# Altium PCB ZZW-FM17550-CB-001-V0.4.PcbDoc (part 3 of 3)
Units mil, origin at the board's own origin, x right, y up, seen from the top; angles counter-clockwise.
Board outline 1510 x 3524 mil, 2 copper layers (Top Layer, Bottom Layer); 440 components, 36 nets, 1370 pads, 672 vias.
Unrouted connection lines stored in the file: 245.
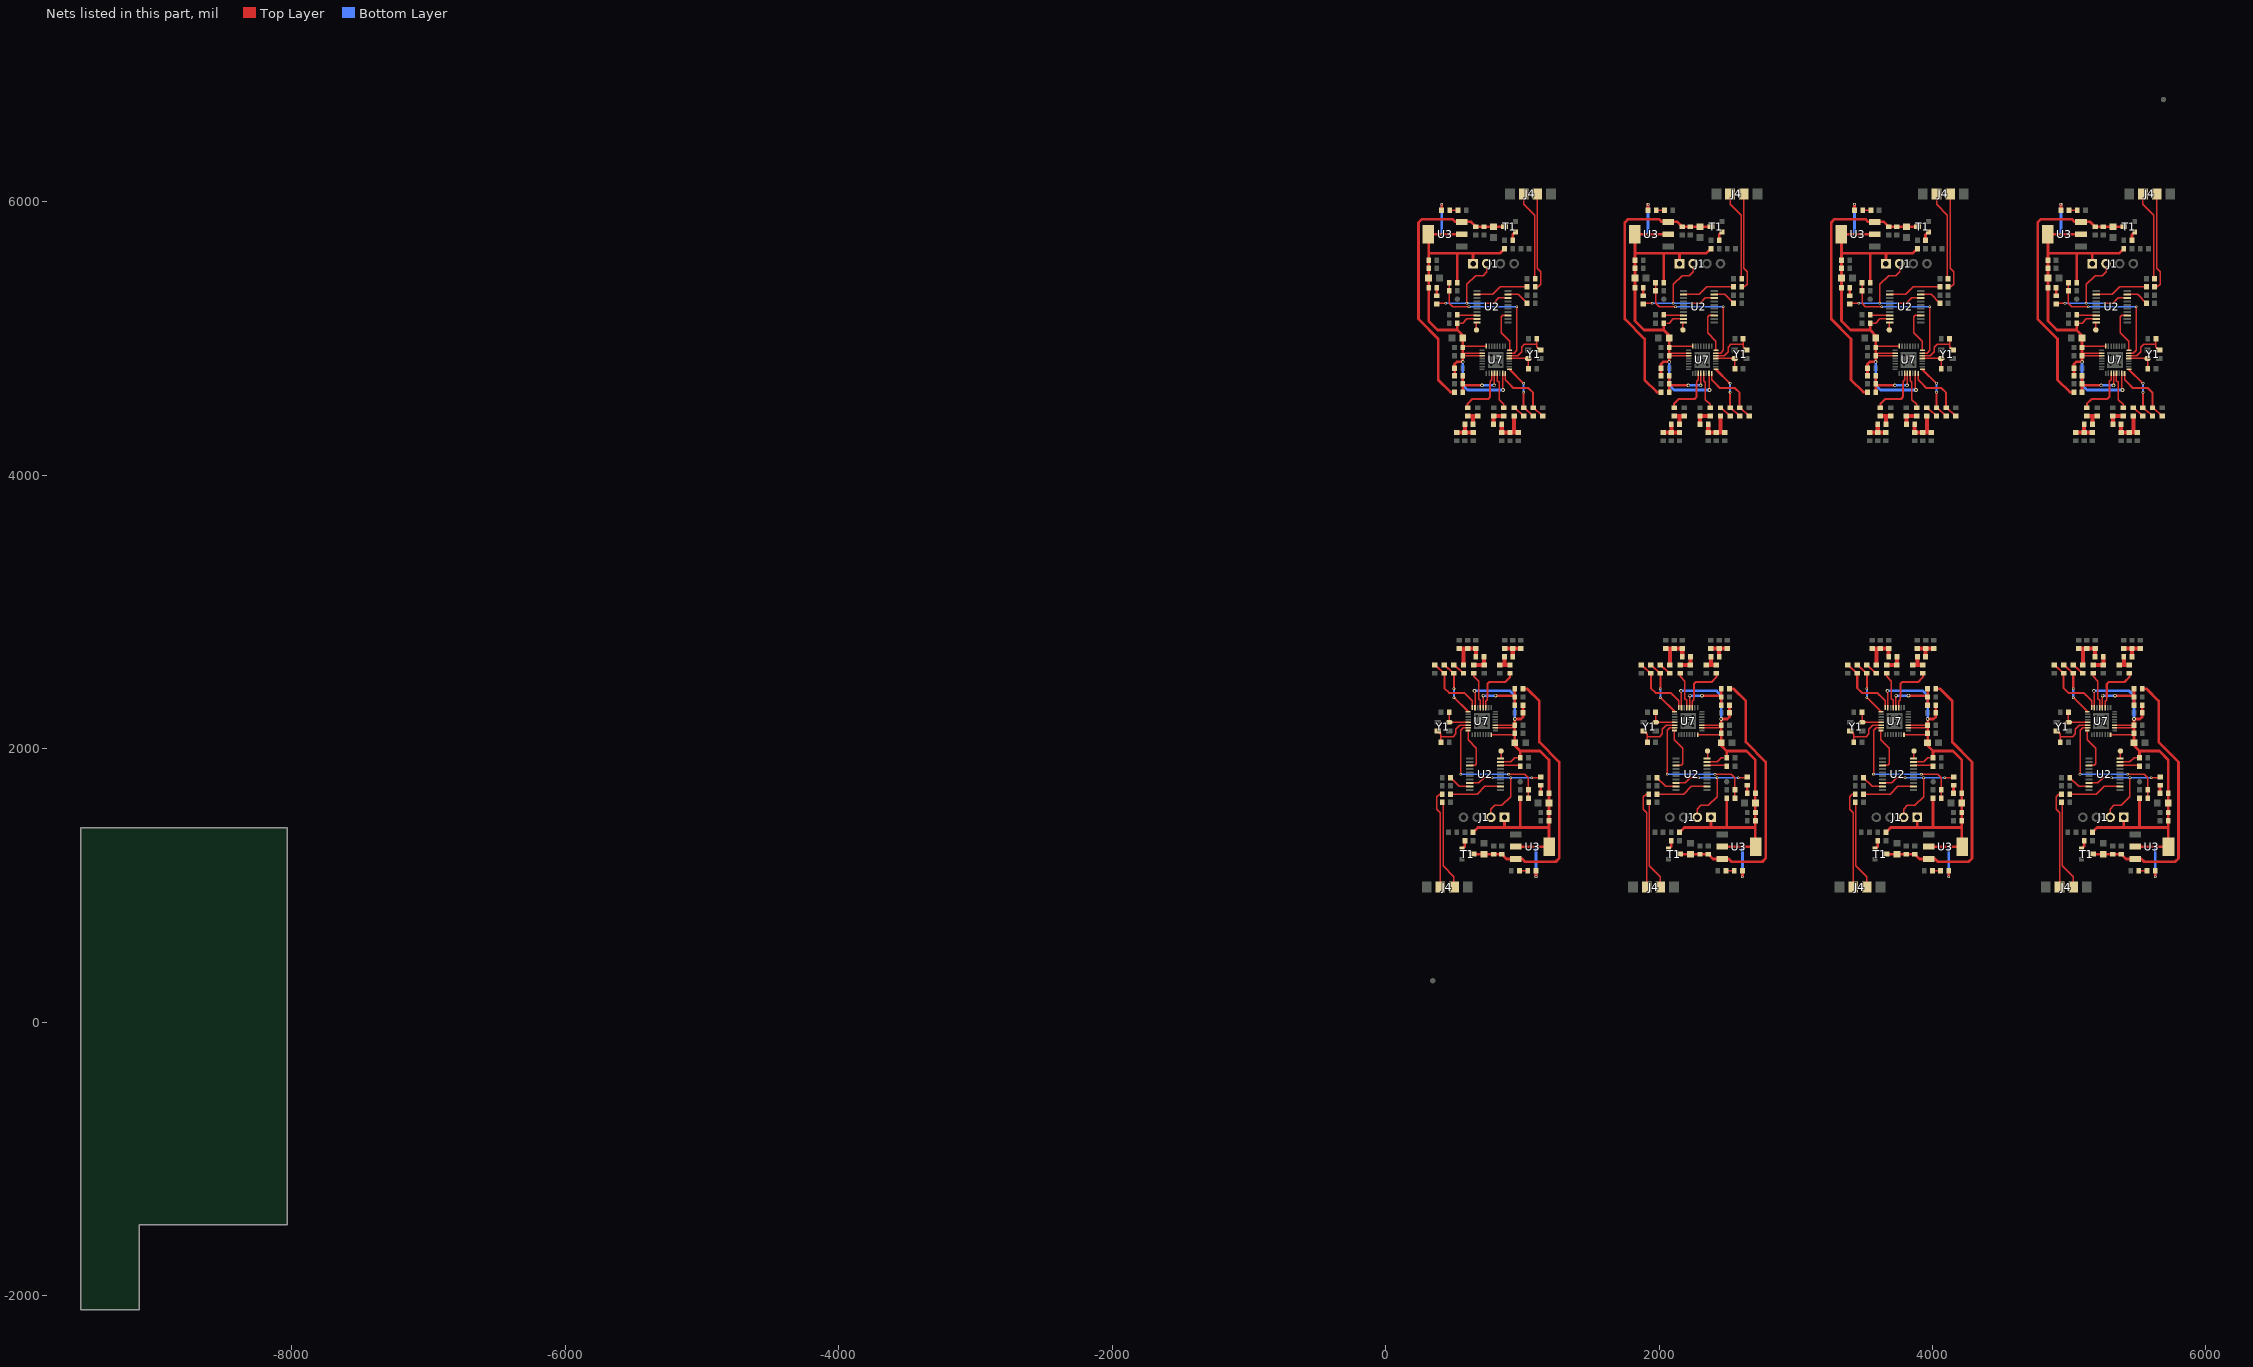
[diagram p3: the nets of this part, all layers, seen from the top]

## Via types
v1: diameter 20, hole 12, Top Layer to Bottom Layer, tented both sides, 432 vias
v2: diameter 19.68, hole 11.81, Top Layer to Bottom Layer, tented both sides, 120 vias
v3: diameter 27, hole 15, Top Layer to Bottom Layer, tented both sides, 104 vias
v4: diameter 27, hole 12, Top Layer to Bottom Layer, tented both sides, 16 vias

## Nets (pads, with @x,y where several pads share a name; then routed paths per layer and width w, separated by ;. In a path a pad name is that pad's centre, name@x,y a point inside that pad or via, vN(x,y) a via of type N, cw(c..) or ccw(c..) an arc to the next point about the centre after c; other vN are vias at no path point) (continued)
MCU_SDA: U2.13 U7.24 | length 2600.4
  Top Layer w10: U7.24@603.08,2133.9 603.08,2065.92 665,2004 665,1889 654.13,1878.13 U2.13@615,1878.13 ; U2.13@895,5169.87 855.87,5169.87 845,5159.01 845,5044.01 906.92,4982.09 U7.24@906.92,4914.11 ; U7.24@2113.08,2133.9 2113.08,2065.92 2175,2004 2175,1889 2164.13,1878.13 U2.13@2125,1878.13 ; U2.13@2405,5169.87 2365.87,5169.87 2355,5159.01 2355,5044.01 2416.92,4982.09 U7.24@2416.92,4914.11 ; U7.24@3623.08,2133.9 3623.08,2065.92 3685,2004 3685,1889 3674.13,1878.13 U2.13@3635,1878.13 ; U2.13@3915,5169.87 3875.87,5169.87 3865,5159.01 3865,5044.01 3926.92,4982.09 U7.24@3926.92,4914.11 ; U7.24@5133.08,2133.9 5133.08,2065.92 5195,2004 5195,1889 5184.13,1878.13 U2.13@5145,1878.13 ; U2.13@5425,5169.87 5385.87,5169.87 5375,5159.01 5375,5044.01 5436.92,4982.09 U7.24@5436.92,4914.11
MCU_SWIM: J1.2 R17.1 U2.18 | length 7354.1
  Top Layer w10: R17.1@375,5254.01 380,5259.01 v2(440,5259.01) ; v1(595,5259.01) 595,5397.01 660,5462.01 713,5462.01 740,5489.01 J1.2@740,5549.01 ; U2.18@615,1750.18 681.18,1750.18 720,1789 v2(780,1789) ; v2(730,5259.01) 790,5259.01 828.82,5297.83 U2.18@895,5297.83 ; J1.2@770,1499 770,1559 797,1586 850,1586 915,1651 v1(915,1789) ; v2(1070,1789) 1130,1789 R17.1@1135,1794 ; R17.1@1885,5254.01 1890,5259.01 v2(1950,5259.01) ; v1(2105,5259.01) 2105,5397.01 2170,5462.01 2223,5462.01 2250,5489.01 J1.2@2250,5549.01 ; U2.18@2125,1750.18 2191.18,1750.18 2230,1789 v2(2290,1789) ; v2(2240,5259.01) 2300,5259.01 2338.82,5297.83 U2.18@2405,5297.83 ; J1.2@2280,1499 2280,1559 2307,1586 2360,1586 2425,1651 v1(2425,1789) ; v2(2580,1789) 2640,1789 R17.1@2645,1794 ; R17.1@3395,5254.01 3400,5259.01 v2(3460,5259.01) ; v1(3615,5259.01) 3615,5397.01 3680,5462.01 3733,5462.01 3760,5489.01 J1.2@3760,5549.01 ; U2.18@3635,1750.18 3701.18,1750.18 3740,1789 v2(3800,1789) ; v2(3750,5259.01) 3810,5259.01 3848.82,5297.83 U2.18@3915,5297.83 ; J1.2@3790,1499 3790,1559 3817,1586 3870,1586 3935,1651 v1(3935,1789) ; v2(4090,1789) 4150,1789 R17.1@4155,1794 ; R17.1@4905,5254.01 4910,5259.01 v2(4970,5259.01) ; v1(5125,5259.01) 5125,5397.01 5190,5462.01 5243,5462.01 5270,5489.01 J1.2@5270,5549.01 ; U2.18@5145,1750.18 5211.18,1750.18 5250,1789 v2(5310,1789) ; v2(5260,5259.01) 5320,5259.01 5358.82,5297.83 U2.18@5425,5297.83 ; J1.2@5300,1499 5300,1559 5327,1586 5380,1586 5445,1651 v1(5445,1789) ; v2(5600,1789) 5660,1789 R17.1@5665,1794
  Bottom Layer w10: v2(440,5259.01) v1(595,5259.01) v2(730,5259.01) ; v2(780,1789) v1(915,1789) v2(1070,1789) ; v2(1950,5259.01) v1(2105,5259.01) v2(2240,5259.01) ; v2(2290,1789) v1(2425,1789) v2(2580,1789) ; v2(3460,5259.01) v1(3615,5259.01) v2(3750,5259.01) ; v2(3800,1789) v1(3935,1789) v2(4090,1789) ; v2(4970,5259.01) v1(5125,5259.01) v2(5260,5259.01) ; v2(5310,1789) v1(5445,1789) v2(5600,1789)
MCU_TX1: R8.2 U2.2 | length 3115.2
  Top Layer w10: R8.2@475,1669 670,1669 725.59,1724.59 U2.2@841.38,1724.59 ; U2.2@668.62,5323.42 784.41,5323.42 840,5379.01 R8.2@1035,5379.01 ; R8.2@1985,1669 2180,1669 2235.59,1724.59 U2.2@2351.38,1724.59 ; U2.2@2178.62,5323.42 2294.41,5323.42 2350,5379.01 R8.2@2545,5379.01 ; R8.2@3495,1669 3690,1669 3745.59,1724.59 U2.2@3861.38,1724.59 ; U2.2@3688.62,5323.42 3804.41,5323.42 3860,5379.01 R8.2@4055,5379.01 ; R8.2@5005,1669 5200,1669 5255.59,1724.59 U2.2@5371.38,1724.59 ; U2.2@5198.62,5323.42 5314.41,5323.42 5370,5379.01 R8.2@5565,5379.01
MCU_WriteOnly: R6.2 U2.19 | length 1333.4
  Top Layer w10: R6.2@475,1789 539.41,1724.59 U2.19@615,1724.59 ; U2.19@895,5323.42 970.59,5323.42 R6.2@1035,5259.01 ; R6.2@1985,1789 2049.41,1724.59 U2.19@2125,1724.59 ; U2.19@2405,5323.42 2480.59,5323.42 R6.2@2545,5259.01 ; R6.2@3495,1789 3559.41,1724.59 U2.19@3635,1724.59 ; U2.19@3915,5323.42 3990.59,5323.42 R6.2@4055,5259.01 ; R6.2@5005,1789 5069.41,1724.59 U2.19@5145,1724.59 ; U2.19@5425,5323.42 5500.59,5323.42 R6.2@5565,5259.01
NetC3_2: C3.2 C7.2 C8.2 R11.1 T1.1 U3.3 | length 16243.8
  Top Layer w20: R11.1@505,4609.01 475,4609.01 385,4699.01 385,4999.01 240,5144.01 240,5849.01 265,5874.01 490.55,5874.01 510,5854.56 U3.3@557.05,5854.56 624.45,5854.56 C7.2@660,5819.01 C8.2@720,5819.01 C3.2@790,5819.01 T1.1@870,5819.01 ; T1.1@640,1229 C3.2@720,1229 C8.2@790,1229 C7.2@850,1229 885.55,1193.45 U3.3@952.95,1193.45 1000,1193.45 1019.45,1174 1245,1174 1270,1199 1270,1904 1125,2049 1125,2349 1035,2439 R11.1@1005,2439 ; R11.1@2015,4609.01 1985,4609.01 1895,4699.01 1895,4999.01 1750,5144.01 1750,5849.01 1775,5874.01 2000.55,5874.01 2020,5854.56 U3.3@2067.05,5854.56 2134.45,5854.56 C7.2@2170,5819.01 C8.2@2230,5819.01 C3.2@2300,5819.01 T1.1@2380,5819.01 ; T1.1@2150,1229 C3.2@2230,1229 C8.2@2300,1229 C7.2@2360,1229 2395.55,1193.45 U3.3@2462.95,1193.45 2510,1193.45 2529.45,1174 2755,1174 2780,1199 2780,1904 2635,2049 2635,2349 2545,2439 R11.1@2515,2439 ; R11.1@3525,4609.01 3495,4609.01 3405,4699.01 3405,4999.01 3260,5144.01 3260,5849.01 3285,5874.01 3510.55,5874.01 3530,5854.56 U3.3@3577.05,5854.56 3644.45,5854.56 C7.2@3680,5819.01 C8.2@3740,5819.01 C3.2@3810,5819.01 T1.1@3890,5819.01 ; T1.1@3660,1229 C3.2@3740,1229 C8.2@3810,1229 C7.2@3870,1229 3905.55,1193.45 U3.3@3972.95,1193.45 4020,1193.45 4039.45,1174 4265,1174 4290,1199 4290,1904 4145,2049 4145,2349 4055,2439 R11.1@4025,2439 ; R11.1@5035,4609.01 5005,4609.01 4915,4699.01 4915,4999.01 4770,5144.01 4770,5849.01 4795,5874.01 5020.55,5874.01 5040,5854.56 U3.3@5087.05,5854.56 5154.45,5854.56 C7.2@5190,5819.01 C8.2@5250,5819.01 C3.2@5320,5819.01 T1.1@5400,5819.01 ; T1.1@5170,1229 C3.2@5250,1229 C8.2@5320,1229 C7.2@5380,1229 5415.55,1193.45 U3.3@5482.95,1193.45 5530,1193.45 5549.45,1174 5775,1174 5800,1199 5800,1904 5655,2049 5655,2349 5565,2439 R11.1@5535,2439
NetC5_2: C5.2 U2.8 | length 1162.7
  Top Layer w10: C5.2@525,5174.01 529.13,5169.87 U2.8@668.62,5169.87 ; U2.8@841.38,1878.13 980.87,1878.13 C5.2@985,1874 ; C5.2@2035,5174.01 2039.13,5169.87 U2.8@2178.62,5169.87 ; U2.8@2351.38,1878.13 2490.87,1878.13 C5.2@2495,1874 ; C5.2@3545,5174.01 3549.13,5169.87 U2.8@3688.62,5169.87 ; U2.8@3861.38,1878.13 4000.87,1878.13 C5.2@4005,1874 ; C5.2@5055,5174.01 5059.13,5169.87 U2.8@5198.62,5169.87 ; U2.8@5371.38,1878.13 5510.87,1878.13 C5.2@5515,1874
NetC52_2: C52.2 U7.22 Y1.3 | length 2782.5
  Top Layer w10: Y1.3@380,2131.01 405,2106.01 405,2089 ; C52.2@405,2049 405,2089 ; U7.22@605.05,2173.27 544.27,2173.27 515,2144 515,2109 495,2089 405,2089 ; U7.22@904.95,4874.74 965.73,4874.74 995,4904.01 995,4939.01 1015,4959.01 1105,4959.01 ; C52.2@1105,4999.01 1105,4959.01 ; Y1.3@1130,4917 1105,4942 1105,4959.01 ; Y1.3@1890,2131.01 1915,2106.01 1915,2089 ; C52.2@1915,2049 1915,2089 ; U7.22@2115.05,2173.27 2054.27,2173.27 2025,2144 2025,2109 2005,2089 1915,2089 ; U7.22@2414.95,4874.74 2475.73,4874.74 2505,4904.01 2505,4939.01 2525,4959.01 2615,4959.01 ; C52.2@2615,4999.01 2615,4959.01 ; Y1.3@2640,4917 2615,4942 2615,4959.01 ; Y1.3@3400,2131.01 3425,2106.01 3425,2089 ; C52.2@3425,2049 3425,2089 ; U7.22@3625.05,2173.27 3564.27,2173.27 3535,2144 3535,2109 3515,2089 3425,2089 ; U7.22@3924.95,4874.74 3985.73,4874.74 4015,4904.01 4015,4939.01 4035,4959.01 4125,4959.01 ; C52.2@4125,4999.01 4125,4959.01 ; Y1.3@4150,4917 4125,4942 4125,4959.01 ; Y1.3@4910,2131.01 4935,2106.01 4935,2089 ; C52.2@4935,2049 4935,2089 ; U7.22@5135.05,2173.27 5074.27,2173.27 5045,2144 5045,2109 5025,2089 4935,2089 ; U7.22@5434.95,4874.74 5495.73,4874.74 5525,4904.01 5525,4939.01 5545,4959.01 5635,4959.01 ; C52.2@5635,4999.01 5635,4959.01 ; Y1.3@5660,4917 5635,4942 5635,4959.01
NetC53_2: C53.2 U7.21 Y1.1 | length 1716.3
  Top Layer w10: C53.2@465,2269 465,2195.61 Y1.1@466.61,2194 467.66,2192.95 U7.21@605.05,2192.95 ; U7.21@904.95,4855.06 1042.34,4855.06 Y1.1@1043.39,4854.01 1045,4852.39 C53.2@1045,4779.01 ; C53.2@1975,2269 1975,2195.61 Y1.1@1976.61,2194 1977.66,2192.95 U7.21@2115.05,2192.95 ; U7.21@2414.95,4855.06 2552.34,4855.06 Y1.1@2553.39,4854.01 2555,4852.39 C53.2@2555,4779.01 ; C53.2@3485,2269 3485,2195.61 Y1.1@3486.61,2194 3487.66,2192.95 U7.21@3625.05,2192.95 ; U7.21@3924.95,4855.06 4062.34,4855.06 Y1.1@4063.39,4854.01 4065,4852.39 C53.2@4065,4779.01 ; C53.2@4995,2269 4995,2195.61 Y1.1@4996.61,2194 4997.66,2192.95 U7.21@5135.05,2192.95 ; U7.21@5434.95,4855.06 5572.34,4855.06 Y1.1@5573.39,4854.01 5575,4852.39 C53.2@5575,4779.01
NetC54_1: C54.1 C57.2 C59.2 R53.1 | length 1360
  Top Layer w30: R53.1@520,4314.01 C59.2@580,4314.01 ; C54.1@580,4374.01 C59.2@580,4314.01 ; C57.2@630,4314.01 C59.2@580,4314.01 ; C57.2@880,2734 C59.2@930,2734 ; C54.1@930,2674 C59.2@930,2734 ; R53.1@990,2734 C59.2@930,2734 ; R53.1@2030,4314.01 C59.2@2090,4314.01 ; C54.1@2090,4374.01 C59.2@2090,4314.01 ; C57.2@2140,4314.01 C59.2@2090,4314.01 ; C57.2@2390,2734 C59.2@2440,2734 ; C54.1@2440,2674 C59.2@2440,2734 ; R53.1@2500,2734 C59.2@2440,2734 ; R53.1@3540,4314.01 C59.2@3600,4314.01 ; C54.1@3600,4374.01 C59.2@3600,4314.01 ; C57.2@3650,4314.01 C59.2@3600,4314.01 ; C57.2@3900,2734 C59.2@3950,2734 ; C54.1@3950,2674 C59.2@3950,2734 ; R53.1@4010,2734 C59.2@3950,2734 ; R53.1@5050,4314.01 C59.2@5110,4314.01 ; C54.1@5110,4374.01 C59.2@5110,4314.01 ; C57.2@5160,4314.01 C59.2@5110,4314.01 ; C57.2@5410,2734 C59.2@5460,2734 ; C54.1@5460,2674 C59.2@5460,2734 ; R53.1@5520,2734 C59.2@5460,2734
NetC54_2: C54.2 C55.2 L50.2 | length 1090.9
  Top Layer w30: L50.2@599.95,4435.37 640,4435.37 ; C54.2@640,4374.01 640,4435.37 ; C55.2@674.95,4435.37 640,4435.37 ; C55.2@835.05,2612.64 870,2612.64 ; C54.2@870,2674 870,2612.64 ; L50.2@910.05,2612.64 870,2612.64 ; L50.2@2109.95,4435.37 2150,4435.37 ; C54.2@2150,4374.01 2150,4435.37 ; C55.2@2184.95,4435.37 2150,4435.37 ; C55.2@2345.05,2612.64 2380,2612.64 ; C54.2@2380,2674 2380,2612.64 ; L50.2@2420.05,2612.64 2380,2612.64 ; L50.2@3619.95,4435.37 3660,4435.37 ; C54.2@3660,4374.01 3660,4435.37 ; C55.2@3694.95,4435.37 3660,4435.37 ; C55.2@3855.05,2612.64 3890,2612.64 ; C54.2@3890,2674 3890,2612.64 ; L50.2@3930.05,2612.64 3890,2612.64 ; L50.2@5129.95,4435.37 5170,4435.37 ; C54.2@5170,4374.01 5170,4435.37 ; C55.2@5204.95,4435.37 5170,4435.37 ; C55.2@5365.05,2612.64 5400,2612.64 ; C54.2@5400,2674 5400,2612.64 ; L50.2@5440.05,2612.64 5400,2612.64
NetC56_1: C56.1 C61.2 L51.2 | length 1091.1
  Top Layer w30: L51.2@645.05,2612.64 C56.1@720,2612.64 ; C61.2@720,2674 720,2612.68 C56.1@720.05,2612.64 ; C56.1@789.95,4435.37 790,4435.32 C61.2@790,4374.01 ; C56.1@789.95,4435.37 L51.2@864.95,4435.37 ; L51.2@2155.05,2612.64 C56.1@2230,2612.64 ; C61.2@2230,2674 2230,2612.68 C56.1@2230.05,2612.64 ; C56.1@2299.95,4435.37 2300,4435.32 C61.2@2300,4374.01 ; C56.1@2299.95,4435.37 L51.2@2374.95,4435.37 ; L51.2@3665.05,2612.64 C56.1@3740,2612.64 ; C61.2@3740,2674 3740,2612.68 C56.1@3740.05,2612.64 ; C56.1@3809.95,4435.37 3810,4435.32 C61.2@3810,4374.01 ; C56.1@3809.95,4435.37 L51.2@3884.95,4435.37 ; L51.2@5175.05,2612.64 C56.1@5250,2612.64 ; C61.2@5250,2674 5250,2612.68 C56.1@5250.05,2612.64 ; C56.1@5319.95,4435.37 5320,4435.32 C61.2@5320,4374.01 ; C56.1@5319.95,4435.37 L51.2@5394.95,4435.37
NetC58_1: C58.1 C60.1 C61.1 C63.1 R54.1 | length 2411.1
  Top Layer w30: R54.1@540,2734 570,2734 ; C63.1@570.05,2612.64 570.05,2733.95 570,2734 ; C61.1@660,2674 C58.1@660,2734 C60.1@600,2734 570,2734 ; C61.1@850,4374.01 C58.1@850,4314.01 C60.1@910,4314.01 940,4314.01 ; C63.1@939.95,4435.37 939.95,4314.05 940,4314.01 ; R54.1@970,4314.01 940,4314.01 ; R54.1@2050,2734 2080,2734 ; C63.1@2080.05,2612.64 2080.05,2733.95 2080,2734 ; C61.1@2170,2674 C58.1@2170,2734 C60.1@2110,2734 2080,2734 ; C61.1@2360,4374.01 C58.1@2360,4314.01 C60.1@2420,4314.01 2450,4314.01 ; C63.1@2449.95,4435.37 2449.95,4314.05 2450,4314.01 ; R54.1@2480,4314.01 2450,4314.01 ; R54.1@3560,2734 3590,2734 ; C63.1@3590.05,2612.64 3590.05,2733.95 3590,2734 ; C61.1@3680,2674 C58.1@3680,2734 C60.1@3620,2734 3590,2734 ; C61.1@3870,4374.01 C58.1@3870,4314.01 C60.1@3930,4314.01 3960,4314.01 ; C63.1@3959.95,4435.37 3959.95,4314.05 3960,4314.01 ; R54.1@3990,4314.01 3960,4314.01 ; R54.1@5070,2734 5100,2734 ; C63.1@5100.05,2612.64 5100.05,2733.95 5100,2734 ; C61.1@5190,2674 C58.1@5190,2734 C60.1@5130,2734 5100,2734 ; C61.1@5380,4374.01 C58.1@5380,4314.01 C60.1@5440,4314.01 5470,4314.01 ; C63.1@5469.95,4435.37 5469.95,4314.05 5470,4314.01 ; R54.1@5500,4314.01 5470,4314.01
NetC62_2: C62.2 R51.1 U7.16 | length 3928.1
  Top Layer w10: 590.36,2394 634.57,2349.78 U7.16@634.57,2303.19 ; U7.16@875.43,4744.82 875.43,4698.23 919.64,4654.01 ; 2100.36,2394 2144.57,2349.78 U7.16@2144.57,2303.19 ; U7.16@2385.43,4744.82 2385.43,4698.23 2429.64,4654.01 ; 3610.36,2394 3654.57,2349.78 U7.16@3654.57,2303.19 ; U7.16@3895.43,4744.82 3895.43,4698.23 3939.64,4654.01 ; 5120.36,2394 5164.57,2349.78 U7.16@5164.57,2303.19 ; U7.16@5405.43,4744.82 5405.43,4698.23 5449.64,4654.01
  Top Layer w15: C62.2@360.05,2612.64 R51.1@430.05,2552.64 430.05,2443.95 465,2409 575.36,2409 590.36,2394 ; 919.64,4654.01 934.64,4639.01 1045,4639.01 1079.95,4604.05 R51.1@1079.95,4495.37 C62.2@1149.95,4435.37 ; C62.2@1870.05,2612.64 R51.1@1940.05,2552.64 1940.05,2443.95 1975,2409 2085.36,2409 2100.36,2394 ; 2429.64,4654.01 2444.64,4639.01 2555,4639.01 2589.95,4604.05 R51.1@2589.95,4495.37 C62.2@2659.95,4435.37 ; C62.2@3380.05,2612.64 R51.1@3450.05,2552.64 3450.05,2443.95 3485,2409 3595.36,2409 3610.36,2394 ; 3939.64,4654.01 3954.64,4639.01 4065,4639.01 4099.95,4604.05 R51.1@4099.95,4495.37 C62.2@4169.95,4435.37 ; C62.2@4890.05,2612.64 R51.1@4960.05,2552.64 4960.05,2443.95 4995,2409 5105.36,2409 5120.36,2394 ; 5449.64,4654.01 5464.64,4639.01 5575,4639.01 5609.95,4604.05 R51.1@5609.95,4495.37 C62.2@5679.95,4435.37
NetC63_2: C63.2 R52.2 | length 737.6
  Top Layer w15: R52.2@500.05,2612.64 C63.2@570.05,2552.64 ; C63.2@939.95,4495.37 R52.2@1009.95,4435.37 ; R52.2@2010.05,2612.64 C63.2@2080.05,2552.64 ; C63.2@2449.95,4495.37 R52.2@2519.95,4435.37 ; R52.2@3520.05,2612.64 C63.2@3590.05,2552.64 ; C63.2@3959.95,4495.37 R52.2@4029.95,4435.37 ; R52.2@5030.05,2612.64 C63.2@5100.05,2552.64 ; C63.2@5469.95,4495.37 R52.2@5539.95,4435.37
NetD1_2: D1.2 R7.2 | length 480
  Top Layer w10: D1.2@470,5939.01 R7.2@530,5939.01 ; R7.2@980,1109 D1.2@1040,1109 ; D1.2@1980,5939.01 R7.2@2040,5939.01 ; R7.2@2490,1109 D1.2@2550,1109 ; D1.2@3490,5939.01 R7.2@3550,5939.01 ; R7.2@4000,1109 D1.2@4060,1109 ; D1.2@5000,5939.01 R7.2@5060,5939.01 ; R7.2@5510,1109 D1.2@5570,1109
NetD2_2: D2.2 R17.2 | length 480
  Top Layer w20: R17.2@375,5314.01 D2.2@375,5374.01 ; D2.2@1135,1674 R17.2@1135,1734 ; R17.2@1885,5314.01 D2.2@1885,5374.01 ; D2.2@2645,1674 R17.2@2645,1734 ; R17.2@3395,5314.01 D2.2@3395,5374.01 ; D2.2@4155,1674 R17.2@4155,1734 ; R17.2@4905,5314.01 D2.2@4905,5374.01 ; D2.2@5665,1674 R17.2@5665,1734
NetJ4_2: J4.2 R2.1 | length 5298.2
  Top Layer w10: R2.1@415,1609 R2.1@425,1599 ; R2.1@420,1599 420,1144 500,1064 J4.2@500,989 J4.2@500,984 ; J4.2@1010,6064.01 J4.2@1010,6059.01 1010,5984.01 1090,5904.01 R2.1@1090,5449.01 ; R2.1@1085,5449.01 R2.1@1095,5439.01 ; R2.1@1925,1609 R2.1@1935,1599 ; R2.1@1930,1599 1930,1144 2010,1064 J4.2@2010,989 J4.2@2010,984 ; J4.2@2520,6064.01 J4.2@2520,6059.01 2520,5984.01 2600,5904.01 R2.1@2600,5449.01 ; R2.1@2595,5449.01 R2.1@2605,5439.01 ; R2.1@3435,1609 R2.1@3445,1599 ; R2.1@3440,1599 3440,1144 3520,1064 J4.2@3520,989 J4.2@3520,984 ; J4.2@4030,6064.01 J4.2@4030,6059.01 4030,5984.01 4110,5904.01 R2.1@4110,5449.01 ; R2.1@4105,5449.01 R2.1@4115,5439.01 ; R2.1@4945,1609 R2.1@4955,1599 ; R2.1@4950,1599 4950,1144 5030,1064 J4.2@5030,989 J4.2@5030,984 ; J4.2@5540,6064.01 J4.2@5540,6059.01 5540,5984.01 5620,5904.01 R2.1@5620,5449.01 ; R2.1@5615,5449.01 R2.1@5625,5439.01
NetJ4_3: J4.3 R8.1 | length 5789.1
  Top Layer w10: J4.3@400,984 J4.3@400,989 400,1534 375,1559 375,1649 395,1669 R8.1@415,1669 ; R8.1@1095,5379.01 1115,5379.01 1135,5399.01 1135,5489.01 1110,5514.01 J4.3@1110,6059.01 J4.3@1110,6064.01 ; J4.3@1910,984 J4.3@1910,989 1910,1534 1885,1559 1885,1649 1905,1669 R8.1@1925,1669 ; R8.1@2605,5379.01 2625,5379.01 2645,5399.01 2645,5489.01 2620,5514.01 J4.3@2620,6059.01 J4.3@2620,6064.01 ; J4.3@3420,984 J4.3@3420,989 3420,1534 3395,1559 3395,1649 3415,1669 R8.1@3435,1669 ; R8.1@4115,5379.01 4135,5379.01 4155,5399.01 4155,5489.01 4130,5514.01 J4.3@4130,6059.01 J4.3@4130,6064.01 ; J4.3@4930,984 J4.3@4930,989 4930,1534 4905,1559 4905,1649 4925,1669 R8.1@4945,1669 ; R8.1@5625,5379.01 5645,5379.01 5665,5399.01 5665,5489.01 5640,5514.01 J4.3@5640,6059.01 J4.3@5640,6064.01
NetL50_1: L50.1 U7.11 | length 3140
  Top Layer w10: U7.11@733,2301.22 733,2347.59 745.05,2359.64 745.05,2379 ; 764.95,4669.01 764.95,4688.37 777,4700.42 U7.11@777,4746.79 ; U7.11@2243,2301.22 2243,2347.59 2255.05,2359.64 2255.05,2379 ; 2274.95,4669.01 2274.95,4688.37 2287,4700.42 U7.11@2287,4746.79 ; U7.11@3753,2301.22 3753,2347.59 3765.05,2359.64 3765.05,2379 ; 3784.95,4669.01 3784.95,4688.37 3797,4700.42 U7.11@3797,4746.79 ; U7.11@5263,2301.22 5263,2347.59 5275.05,2359.64 5275.05,2379 ; 5294.95,4669.01 5294.95,4688.37 5307,4700.42 U7.11@5307,4746.79
  Top Layer w15: L50.1@599.95,4495.37 599.95,4523.96 635,4559.01 750,4559.01 764.95,4573.96 764.95,4602.99 764.5,4603.45 764.5,4624.57 764.95,4625.02 764.95,4669.01 ; 745.05,2379 745.05,2422.98 745.5,2423.44 745.5,2444.56 745.05,2445.02 745.05,2474.05 760,2489 875,2489 910.05,2524.05 L50.1@910.05,2552.64 ; L50.1@2109.95,4495.37 2109.95,4523.96 2145,4559.01 2260,4559.01 2274.95,4573.96 2274.95,4602.99 2274.5,4603.45 2274.5,4624.57 2274.95,4625.02 2274.95,4669.01 ; 2255.05,2379 2255.05,2422.98 2255.5,2423.44 2255.5,2444.56 2255.05,2445.02 2255.05,2474.05 2270,2489 2385,2489 2420.05,2524.05 L50.1@2420.05,2552.64 ; L50.1@3619.95,4495.37 3619.95,4523.96 3655,4559.01 3770,4559.01 3784.95,4573.96 3784.95,4602.99 3784.5,4603.45 3784.5,4624.57 3784.95,4625.02 3784.95,4669.01 ; 3765.05,2379 3765.05,2422.98 3765.5,2423.44 3765.5,2444.56 3765.05,2445.02 3765.05,2474.05 3780,2489 3895,2489 3930.05,2524.05 L50.1@3930.05,2552.64 ; L50.1@5129.95,4495.37 5129.95,4523.96 5165,4559.01 5280,4559.01 5294.95,4573.96 5294.95,4602.99 5294.5,4603.45 5294.5,4624.57 5294.95,4625.02 5294.95,4669.01 ; 5275.05,2379 5275.05,2422.98 5275.5,2423.44 5275.5,2444.56 5275.05,2445.02 5275.05,2474.05 5290,2489 5405,2489 5440.05,2524.05 L50.1@5440.05,2552.64
NetL51_1: L51.1 U7.13 | length 2172.3
  Top Layer w10: L51.1@645.05,2552.64 645.05,2528.95 680,2494 680,2367.63 693.63,2354 U7.13@693.63,2301.22 ; U7.13@816.37,4746.79 816.37,4694.01 830,4680.38 830,4554.01 864.95,4519.05 L51.1@864.95,4495.37 ; L51.1@2155.05,2552.64 2155.05,2528.95 2190,2494 2190,2367.63 2203.63,2354 U7.13@2203.63,2301.22 ; U7.13@2326.37,4746.79 2326.37,4694.01 2340,4680.38 2340,4554.01 2374.95,4519.05 L51.1@2374.95,4495.37 ; L51.1@3665.05,2552.64 3665.05,2528.95 3700,2494 3700,2367.63 3713.63,2354 U7.13@3713.63,2301.22 ; U7.13@3836.37,4746.79 3836.37,4694.01 3850,4680.38 3850,4554.01 3884.95,4519.05 L51.1@3884.95,4495.37 ; L51.1@5175.05,2552.64 5175.05,2528.95 5210,2494 5210,2367.63 5223.63,2354 U7.13@5223.63,2301.22 ; U7.13@5346.37,4746.79 5346.37,4694.01 5360,4680.38 5360,4554.01 5394.95,4519.05 L51.1@5394.95,4495.37
NetR1_1: R1.1 R3.1 U7.23 | length 8312.8
  Top Layer w10: R3.1@465,5409.01 R1.1@465,5349.01 465,5259.01 490.42,5233.59 v2(610.42,5233.59) ; v2(549.58,1814.42) 549.58,2134 569.17,2153.58 U7.23@605.05,2153.58 ; v2(899.58,1814.42) 1019.58,1814.42 1045,1789 R1.1@1045,1699 R3.1@1045,1639 ; U7.23@904.95,4894.43 940.83,4894.43 960.42,4914.01 v2(960.42,5233.59) ; R3.1@1975,5409.01 R1.1@1975,5349.01 1975,5259.01 2000.42,5233.59 v2(2120.42,5233.59) ; v2(2059.58,1814.42) 2059.58,2134 2079.17,2153.58 U7.23@2115.05,2153.58 ; v2(2409.58,1814.42) 2529.58,1814.42 2555,1789 R1.1@2555,1699 R3.1@2555,1639 ; U7.23@2414.95,4894.43 2450.83,4894.43 2470.42,4914.01 v2(2470.42,5233.59) ; R3.1@3485,5409.01 R1.1@3485,5349.01 3485,5259.01 3510.42,5233.59 v2(3630.42,5233.59) ; v2(3569.58,1814.42) 3569.58,2134 3589.17,2153.58 U7.23@3625.05,2153.58 ; v2(3919.58,1814.42) 4039.58,1814.42 4065,1789 R1.1@4065,1699 R3.1@4065,1639 ; U7.23@3924.95,4894.43 3960.83,4894.43 3980.42,4914.01 v2(3980.42,5233.59) ; R3.1@4995,5409.01 R1.1@4995,5349.01 4995,5259.01 5020.42,5233.59 v2(5140.42,5233.59) ; v2(5079.58,1814.42) 5079.58,2134 5099.17,2153.58 U7.23@5135.05,2153.58 ; v2(5429.58,1814.42) 5549.58,1814.42 5575,1789 R1.1@5575,1699 R3.1@5575,1639 ; U7.23@5434.95,4894.43 5470.83,4894.43 5490.42,4914.01 v2(5490.42,5233.59)